# Altium PCB JTAG-批量下载V06.PcbDoc (part 7 of 13)
Units mil, origin at the board's own origin, x right, y up, seen from the top; angles counter-clockwise.
Board outline 6380 x 5290 mil, 2 copper layers (Top Layer, Bottom Layer); 190 components, 238 nets, 1050 pads, 459 vias.
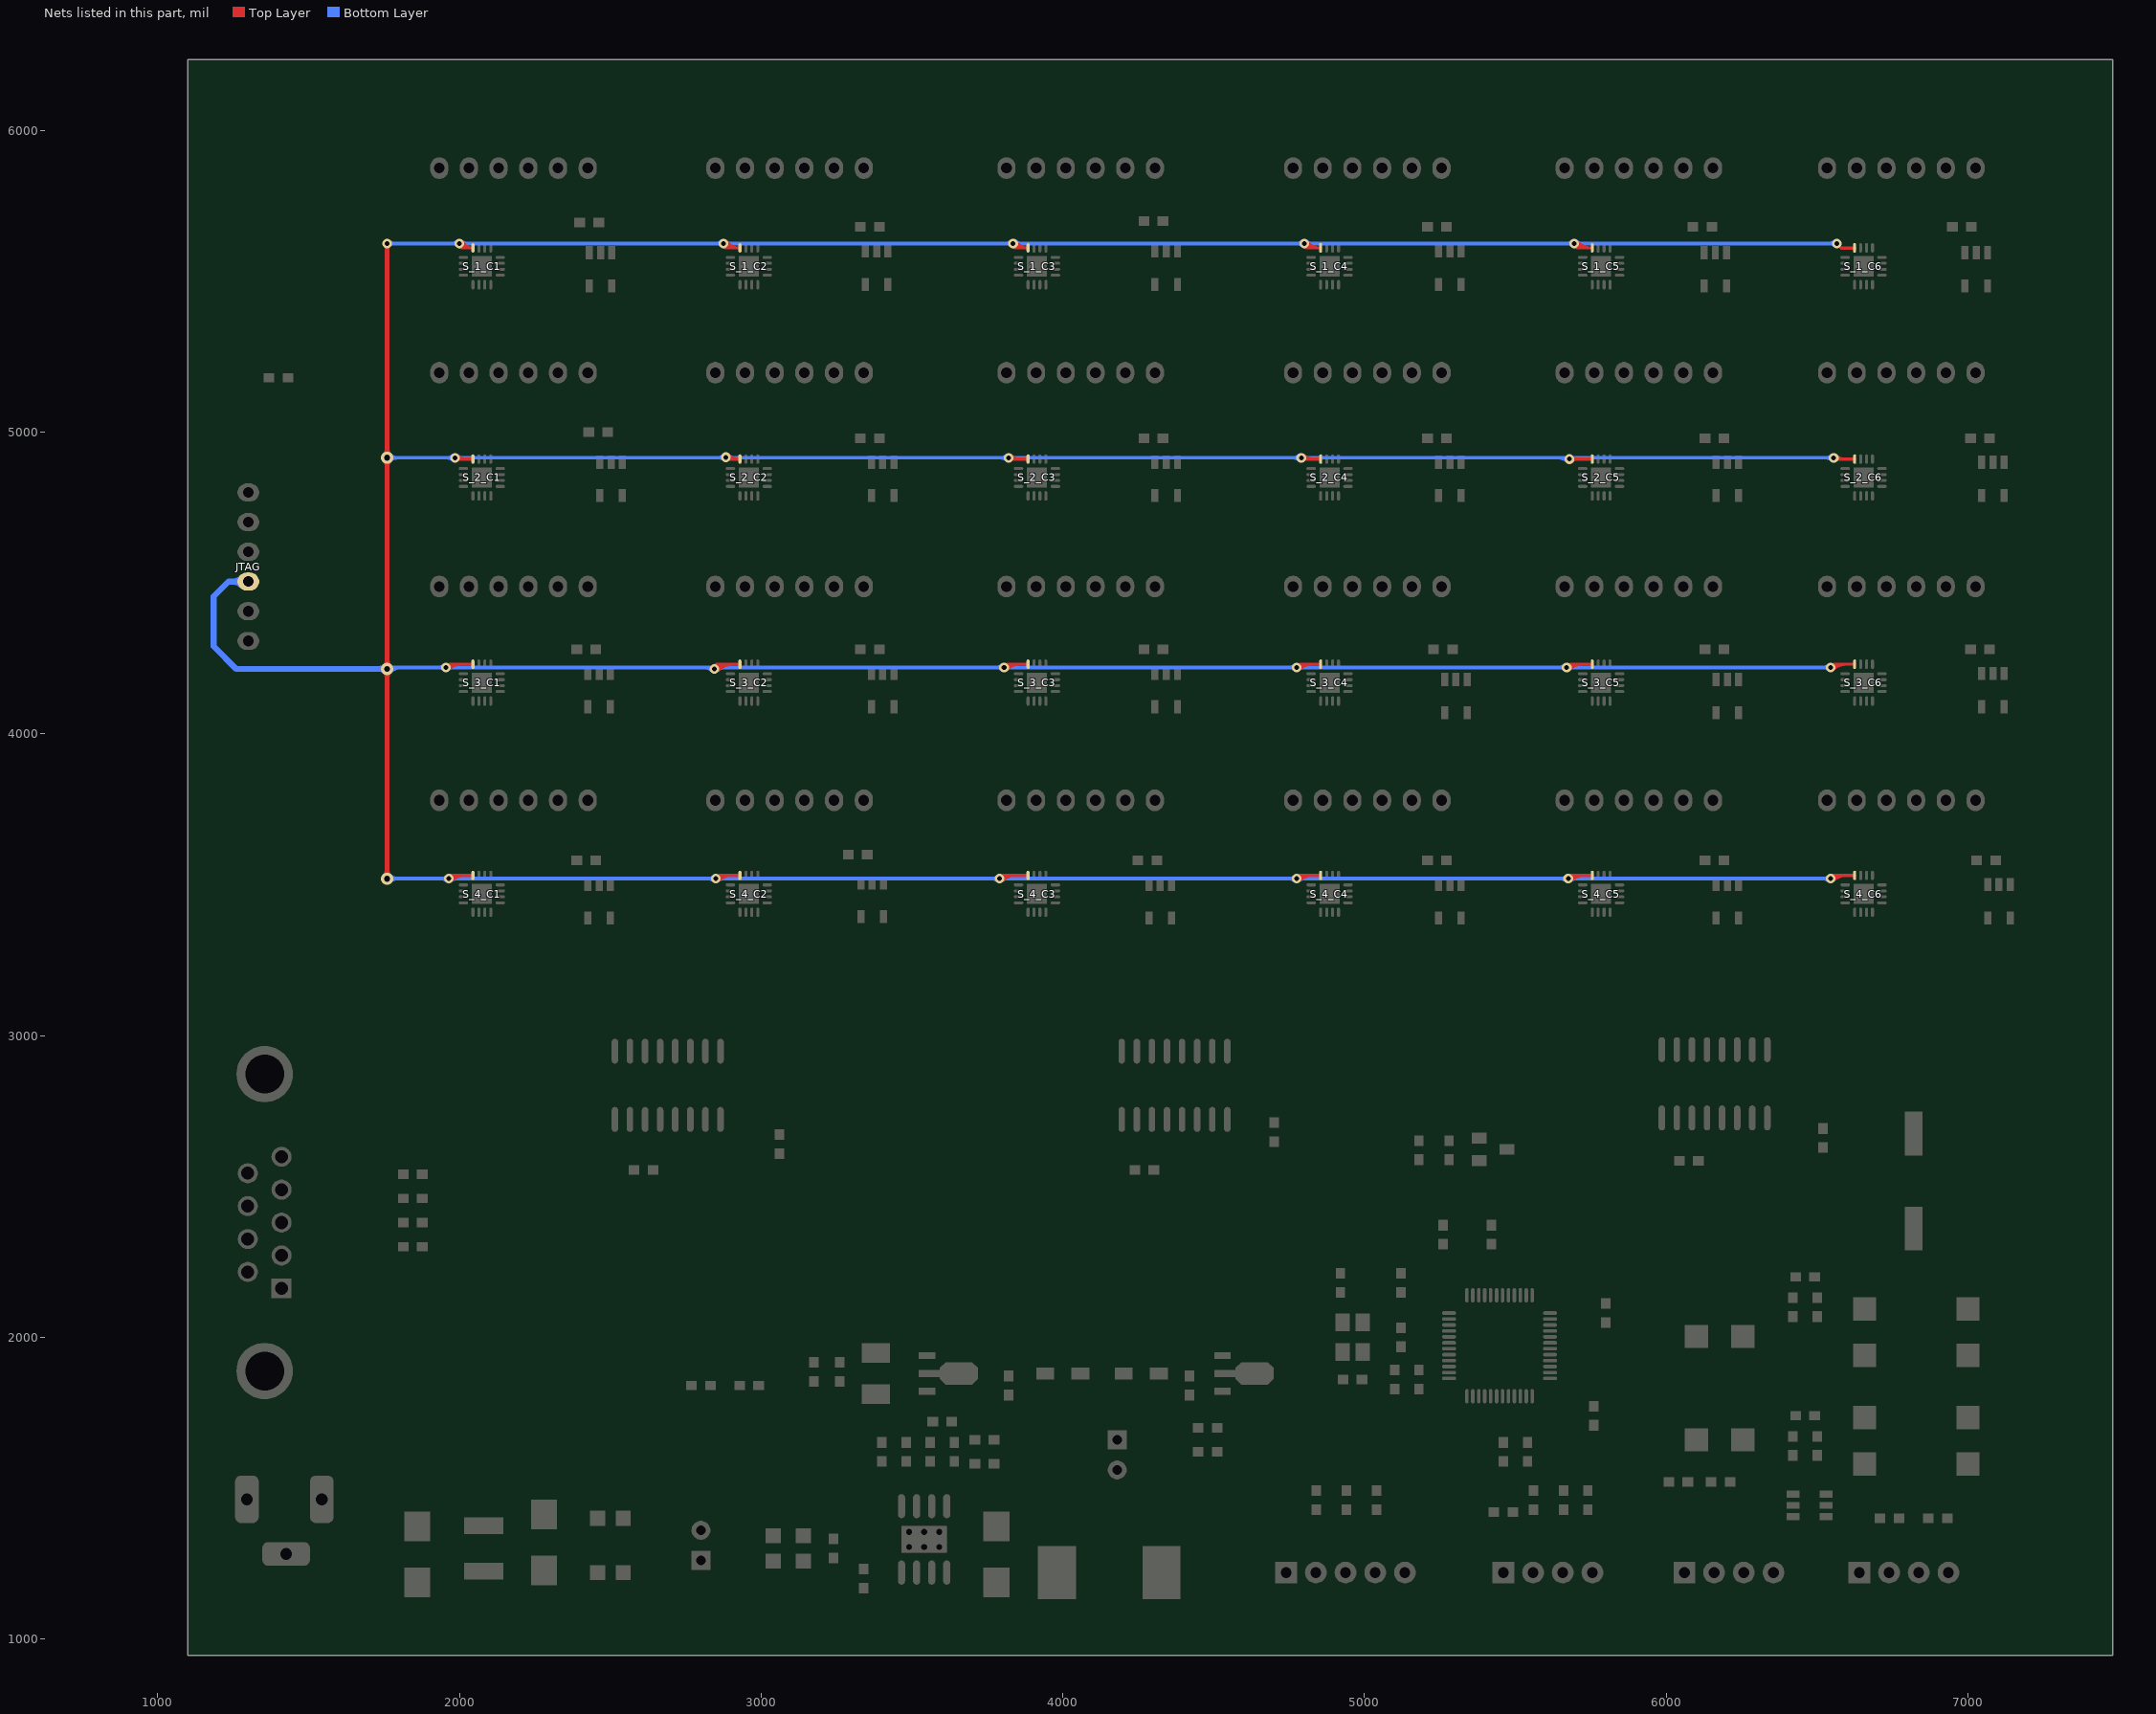
[diagram p7: the nets of this part, all layers, seen from the top]

## Via types
v1: diameter 32, hole 16, Top Layer to Bottom Layer, 347 vias
v2: diameter 50, hole 28, Top Layer to Bottom Layer, 63 vias
v3: diameter 40, hole 20, Top Layer to Bottom Layer, 49 vias

## Nets (pads, with @x,y where several pads share a name; then routed paths per layer and width w, separated by ;. In a path a pad name is that pad's centre, name@x,y a point inside that pad or via, vN(x,y) a via of type N, cw(c..) or ccw(c..) an arc to the next point about the centre after c; other vN are vias at no path point) (continued)
JTAG_TCK: JTAG.4 S_1_C1.8 S_1_C2.8 S_1_C3.8 S_1_C4.8 S_1_C5.8 S_1_C6.8 S_2_C1.8 S_2_C2.8 S_2_C3.8 S_2_C4.8 S_2_C5.8 S_2_C6.8 S_3_C1.8 S_3_C2.8 S_3_C3.8 S_3_C4.8 S_3_C5.8 S_3_C6.8 S_4_C1.8 S_4_C2.8 S_4_C3.8 S_4_C4.8 S_4_C5.8 S_4_C6.8 | length 34419.3
  Top Layer w10: v1@1955,3520 1965.55,3530.55 S_4_C1.8@2044.45,3530.55 ; v1(1955,4220) 1965.55,4230.55 S_3_C1.8@2044.45,4230.55 ; v1(1985,4915) 1989.45,4910.55 S_2_C1.8@2044.45,4910.55 ; v1@1992.24,5620.44 ccw(c2009.52,5630.59) 2009.52,5610.55 ; v1(2000,5625) 2014.45,5610.55 S_1_C1.8@2044.45,5610.55 cw(c2044.45,5651.09) v1@2009.49,5630.57 ; v1@2000.86,5625.51 ccw(c2026.98,5640.84) 2026.98,5610.55 ; v1@2845,4225 2850.55,4230.55 S_3_C2.8@2929.45,4230.55 ; v1(2850,3520) 2860.55,3530.55 S_4_C2.8@2929.45,3530.55 ; v1@2868.1,5619.23 ccw(c2886.66,5634.75) 2886.66,5610.55 ; v1(2875,5625) 2889.45,5610.55 S_1_C2.8@2929.45,5610.55 cw(c2929.45,5670.52) v1@2883.44,5632.06 ; v1@2875.77,5625.64 ccw(c2908.05,5652.63) 2908.05,5610.55 ; v1(3790,3520) 3800.55,3530.55 S_4_C3.8@3884.45,3530.55 ; v1(3805,4220) 3815.55,4230.55 S_3_C3.8@3884.45,4230.55 ; v1(3820,4915) 3824.45,4910.55 S_2_C3.8@3884.45,4910.55 ; v1@3827.68,5619.77 ccw(c3845.59,5632.56) 3845.59,5610.55 ; v1(3835,5625) 3849.45,5610.55 S_1_C3.8@3884.45,5610.55 cw(c3884.45,5660.31) v1@3843.95,5631.39 ; v1@3835.81,5625.58 ccw(c3865.02,5646.44) 3865.02,5610.55 ; v1(4775,3520) 4785.55,3530.55 S_4_C4.8@4854.45,3530.55 ; v1(4775,4220) 4785.55,4230.55 S_3_C4.8@4854.45,4230.55 ; v1@4793.1,5619.23 ccw(c4811.66,5634.75) 4811.66,5610.55 ; v1(4800,5625) 4814.45,5610.55 S_1_C4.8@4854.45,5610.55 cw(c4854.45,5670.52) v1@4808.44,5632.06 ; v1@4800.77,5625.64 ccw(c4833.05,5652.63) 4833.05,5610.55 ; v1(5670,4220) 5680.55,4230.55 S_3_C5.8@5754.45,4230.55 ; v1(5675,3520) 5685.55,3530.55 S_4_C5.8@5754.45,3530.55 ; v1(5679.45,4910.55) S_2_C5.8@5754.45,4910.55 ; v1@5688.49,5618.79 ccw(c5707.73,5637.14) 5707.73,5610.55 ; v1(5695,5625) 5709.45,5610.55 S_1_C5.8@5754.45,5610.55 cw(c5754.45,5681.7) v1@5702.96,5632.59 ; v1@5695.72,5625.69 ccw(c5731.09,5659.42) 5731.09,5610.55 ; v1@6535,3520 6545.55,3530.55 S_4_C6.8@6624.45,3530.55 ; v1(6545,4220) 6555.55,4230.55 S_3_C6.8@6624.45,4230.55 ; v1@6555,4910.55 S_2_C6.8@6624.45,4910.55 ; v1(6565,5625) 6580,5610 S_1_C6.8@6625,5610 ; v1@1955.71,4219.29 cw(c1982.89,4192.11) 1982.89,4230.55 ; v1@1955.71,4219.29 cw(c1982.89,4192.11) 1982.89,4230.55 ; v1@1955.71,4219.29 cw(c1982.89,4192.11) 1982.89,4230.55 ; v1@1962.78,4212.22 cw(c2007.03,4167.97) 2007.03,4230.55 ; v1@1962.78,4212.22 cw(c2007.03,4167.97) 2007.03,4230.55 ; v1@1962.78,4212.22 cw(c2007.03,4167.97) 2007.03,4230.55 ; v1@1965.71,3519.29 cw(c1992.89,3492.11) 1992.89,3530.55 ; v1@1965.71,3519.29 cw(c1992.89,3492.11) 1992.89,3530.55 ; v1@1965.71,3519.29 cw(c1992.89,3492.11) 1992.89,3530.55 ; v1@1972.78,3512.22 cw(c2017.03,3467.97) 2017.03,3530.55 ; v1@1972.78,3512.22 cw(c2017.03,3467.97) 2017.03,3530.55 ; v1@1972.78,3512.22 cw(c2017.03,3467.97) 2017.03,3530.55 ; v1@1992.78,4907.22 cw(c2000.82,4899.18) 2000.82,4910.55 ; v1@1992.78,4907.22 cw(c2000.82,4899.18) 2000.82,4910.55 ; v1@1992.78,4907.22 cw(c2000.82,4899.18) 2000.82,4910.55 ; v1@1992.78,4922.78 ccw(c2022.3,4952.3) 2022.3,4910.55 ; v1@1992.78,4922.78 ccw(c2022.3,4952.3) 2022.3,4910.55 ; v1@1992.78,4922.78 ccw(c2022.3,4952.3) 2022.3,4910.55 ; v1@2838.64,4221.36 cw(c2860.82,4199.18) 2860.82,4230.55 ; v1@2838.64,4221.36 cw(c2860.82,4199.18) 2860.82,4230.55 ; v1@2838.64,4221.36 cw(c2860.82,4199.18) 2860.82,4230.55 ; v1@2845.71,4214.29 cw(c2884.96,4175.04) 2884.96,4230.55 ; v1@2845.71,4214.29 cw(c2884.96,4175.04) 2884.96,4230.55 ; v1@2845.71,4214.29 cw(c2884.96,4175.04) 2884.96,4230.55 ; v1@2850.71,3519.29 cw(c2877.89,3492.11) 2877.89,3530.55 ; v1@2850.71,3519.29 cw(c2877.89,3492.11) 2877.89,3530.55 ; v1@2850.71,3519.29 cw(c2877.89,3492.11) 2877.89,3530.55 ; v1@2852.78,4207.22 cw(c2909.1,4150.9) 2909.1,4230.55 ; v1@2852.78,4207.22 cw(c2909.1,4150.9) 2909.1,4230.55 ; v1@2852.78,4207.22 cw(c2909.1,4150.9) 2909.1,4230.55 ; v1@2857.78,3512.22 cw(c2902.03,3467.97) 2902.03,3530.55 ; v1@2857.78,3512.22 cw(c2902.03,3467.97) 2902.03,3530.55 ; v1@2857.78,3512.22 cw(c2902.03,3467.97) 2902.03,3530.55 ; v1@3790.71,3519.29 cw(c3817.89,3492.11) 3817.89,3530.55 ; v1@3790.71,3519.29 cw(c3817.89,3492.11) 3817.89,3530.55 ; v1@3790.71,3519.29 cw(c3817.89,3492.11) 3817.89,3530.55 ; v1@3797.78,3512.22 cw(c3842.03,3467.97) 3842.03,3530.55 ; v1@3797.78,3512.22 cw(c3842.03,3467.97) 3842.03,3530.55 ; v1@3797.78,3512.22 cw(c3842.03,3467.97) 3842.03,3530.55 ; v1@3805.71,4219.29 cw(c3832.89,4192.11) 3832.89,4230.55 ; v1@3805.71,4219.29 cw(c3832.89,4192.11) 3832.89,4230.55 ; v1@3805.71,4219.29 cw(c3832.89,4192.11) 3832.89,4230.55 ; v1@3812.78,4212.22 cw(c3857.03,4167.97) 3857.03,4230.55 ; v1@3812.78,4212.22 cw(c3857.03,4167.97) 3857.03,4230.55 ; v1@3812.78,4212.22 cw(c3857.03,4167.97) 3857.03,4230.55 ; v1@3827.78,4907.22 cw(c3835.82,4899.18) 3835.82,4910.55 ; v1@3827.78,4907.22 cw(c3835.82,4899.18) 3835.82,4910.55 ; v1@3827.78,4907.22 cw(c3835.82,4899.18) 3835.82,4910.55 ; v1@3827.78,4922.78 ccw(c3857.3,4952.3) 3857.3,4910.55 ; v1@3827.78,4922.78 ccw(c3857.3,4952.3) 3857.3,4910.55 ; v1@3827.78,4922.78 ccw(c3857.3,4952.3) 3857.3,4910.55 ; v1@4775.71,3519.29 cw(c4802.89,3492.11) 4802.89,3530.55 ; v1@4775.71,3519.29 cw(c4802.89,3492.11) 4802.89,3530.55 ; v1@4775.71,3519.29 cw(c4802.89,3492.11) 4802.89,3530.55 ; v1@4775.71,4219.29 cw(c4802.89,4192.11) 4802.89,4230.55 ; v1@4775.71,4219.29 cw(c4802.89,4192.11) 4802.89,4230.55 ; v1@4775.71,4219.29 cw(c4802.89,4192.11) 4802.89,4230.55 ; v1@4782.78,3512.22 cw(c4827.03,3467.97) 4827.03,3530.55 ; v1@4782.78,3512.22 cw(c4827.03,3467.97) 4827.03,3530.55 ; v1@4782.78,3512.22 cw(c4827.03,3467.97) 4827.03,3530.55 ; v1@4782.78,4212.22 cw(c4827.03,4167.97) 4827.03,4230.55 ; v1@4782.78,4212.22 cw(c4827.03,4167.97) 4827.03,4230.55 ; v1@4782.78,4212.22 cw(c4827.03,4167.97) 4827.03,4230.55 ; v1@5670.71,4219.29 cw(c5697.89,4192.11) 5697.89,4230.55 ; v1@5670.71,4219.29 cw(c5697.89,4192.11) 5697.89,4230.55 ; v1@5670.71,4219.29 cw(c5697.89,4192.11) 5697.89,4230.55 ; v1@5675.71,3519.29 cw(c5702.89,3492.11) 5702.89,3530.55 ; v1@5675.71,3519.29 cw(c5702.89,3492.11) 5702.89,3530.55 ; v1@5675.71,3519.29 cw(c5702.89,3492.11) 5702.89,3530.55 ; v1@5677.78,4212.22 cw(c5722.03,4167.97) 5722.03,4230.55 ; v1@5677.78,4212.22 cw(c5722.03,4167.97) 5722.03,4230.55 ; v1@5677.78,4212.22 cw(c5722.03,4167.97) 5722.03,4230.55 ; v1@5682.78,3512.22 cw(c5727.03,3467.97) 5727.03,3530.55 ; v1@5682.78,3512.22 cw(c5727.03,3467.97) 5727.03,3530.55 ; v1@5682.78,3512.22 cw(c5727.03,3467.97) 5727.03,3530.55 ; v1@5687.23,4902.77 cw(c5706.01,4883.99) 5706.01,4910.55 ; v1@5687.23,4902.77 cw(c5706.01,4883.99) 5706.01,4910.55 ; v1@5687.23,4902.77 cw(c5706.01,4883.99) 5706.01,4910.55 ; v1@5687.23,4918.33 ccw(c5706.01,4937.11) 5706.01,4910.55 ; v1@5687.23,4918.33 ccw(c5706.01,4937.11) 5706.01,4910.55 ; v1@5687.23,4918.33 ccw(c5706.01,4937.11) 5706.01,4910.55 ; v1@6545.71,3519.29 cw(c6572.89,3492.11) 6572.89,3530.55 ; v1@6545.71,3519.29 cw(c6572.89,3492.11) 6572.89,3530.55 ; v1@6545.71,3519.29 cw(c6572.89,3492.11) 6572.89,3530.55 ; v1@6545.71,4219.29 cw(c6572.89,4192.11) 6572.89,4230.55 ; v1@6545.71,4219.29 cw(c6572.89,4192.11) 6572.89,4230.55 ; v1@6545.71,4219.29 cw(c6572.89,4192.11) 6572.89,4230.55 ; v1@6552.78,3512.22 cw(c6597.03,3467.97) 6597.03,3530.55 ; v1@6552.78,3512.22 cw(c6597.03,3467.97) 6597.03,3530.55 ; v1@6552.78,3512.22 cw(c6597.03,3467.97) 6597.03,3530.55 ; v1@6552.78,4212.22 cw(c6597.03,4167.97) 6597.03,4230.55 ; v1@6552.78,4212.22 cw(c6597.03,4167.97) 6597.03,4230.55 ; v1@6552.78,4212.22 cw(c6597.03,4167.97) 6597.03,4230.55 ; v1@6562.78,4907.22 cw(c6570.82,4899.18) 6570.82,4910.55 ; v1@6562.78,4907.22 cw(c6570.82,4899.18) 6570.82,4910.55 ; v1@6562.78,4907.22 cw(c6570.82,4899.18) 6570.82,4910.55 ; v1@6562.78,4922.78 ccw(c6592.3,4952.3) 6592.3,4910.55 ; v1@6562.78,4922.78 ccw(c6592.3,4952.3) 6592.3,4910.55 ; v1@6562.78,4922.78 ccw(c6592.3,4952.3) 6592.3,4910.55
  Top Layer w12: v1@2880,4920 2889.45,4910.55 S_2_C2.8@2929.45,4910.55 ; v1(4790,4915) 4794.45,4910.55 S_2_C4.8@4854.45,4910.55 ; v1@2890.43,4923.71 ccw(c2922.2,4955.47) 2922.2,4910.55 ; v1@2890.43,4923.71 ccw(c2922.2,4955.47) 2922.2,4910.55 ; v1@2890.43,4923.71 ccw(c2922.2,4955.47) 2922.2,4910.55 ; v1@4797.07,4922.07 ccw(c4824.88,4949.88) 4824.88,4910.55 ; v1@4797.07,4922.07 ccw(c4824.88,4949.88) 4824.88,4910.55 ; v1@4797.07,4922.07 ccw(c4824.88,4949.88) 4824.88,4910.55
  Top Layer w15: v3@1760,3515 v1(1760,5625) ; v3@1751.16,3528.84 ccw(c1729.82,3550.18) 1760,3550.18 ; v3@1751.16,3528.84 ccw(c1729.82,3550.18) 1760,3550.18 ; v3@1751.16,3528.84 ccw(c1729.82,3550.18) 1760,3550.18 ; v3@1751.16,4206.16 cw(c1729.82,4184.82) 1760,4184.82 ; v3@1751.16,4206.16 cw(c1729.82,4184.82) 1760,4184.82 ; v3@1751.16,4206.16 cw(c1729.82,4184.82) 1760,4184.82 ; v3@1751.16,4223.84 ccw(c1729.82,4245.18) 1760,4245.18 ; v3@1751.16,4223.84 ccw(c1729.82,4245.18) 1760,4245.18 ; v3@1751.16,4223.84 ccw(c1729.82,4245.18) 1760,4245.18 ; v3@1751.16,4906.16 cw(c1729.82,4884.82) 1760,4884.82 ; v3@1751.16,4906.16 cw(c1729.82,4884.82) 1760,4884.82 ; v3@1751.16,4906.16 cw(c1729.82,4884.82) 1760,4884.82 ; v3@1751.16,4923.84 ccw(c1729.82,4945.18) 1760,4945.18 ; v3@1751.16,4923.84 ccw(c1729.82,4945.18) 1760,4945.18 ; v3@1751.16,4923.84 ccw(c1729.82,4945.18) 1760,4945.18 ; v1@1753.99,5618.99 cw(c1739.48,5604.48) 1760,5604.48 ; v1@1753.99,5618.99 cw(c1739.48,5604.48) 1760,5604.48 ; v1@1753.99,5618.99 cw(c1739.48,5604.48) 1760,5604.48 ; 1760,3550.18 ccw(c1790.18,3550.18) v3@1768.84,3528.84 ; 1760,3550.18 ccw(c1790.18,3550.18) v3@1768.84,3528.84 ; 1760,3550.18 ccw(c1790.18,3550.18) v3@1768.84,3528.84 ; 1760,4184.82 cw(c1790.18,4184.82) v3@1768.84,4206.16 ; 1760,4184.82 cw(c1790.18,4184.82) v3@1768.84,4206.16 ; 1760,4184.82 cw(c1790.18,4184.82) v3@1768.84,4206.16 ; 1760,4245.18 ccw(c1790.18,4245.18) v3@1768.84,4223.84 ; 1760,4245.18 ccw(c1790.18,4245.18) v3@1768.84,4223.84 ; 1760,4245.18 ccw(c1790.18,4245.18) v3@1768.84,4223.84 ; 1760,4884.82 cw(c1790.18,4884.82) v3@1768.84,4906.16 ; 1760,4884.82 cw(c1790.18,4884.82) v3@1768.84,4906.16 ; 1760,4884.82 cw(c1790.18,4884.82) v3@1768.84,4906.16 ; 1760,4945.18 ccw(c1790.18,4945.18) v3@1768.84,4923.84 ; 1760,4945.18 ccw(c1790.18,4945.18) v3@1768.84,4923.84 ; 1760,4945.18 ccw(c1790.18,4945.18) v3@1768.84,4923.84 ; 1760,5604.48 cw(c1780.52,5604.48) v1@1766.01,5618.99 ; 1760,5604.48 cw(c1780.52,5604.48) v1@1766.01,5618.99 ; 1760,5604.48 cw(c1780.52,5604.48) v1@1766.01,5618.99
  Bottom Layer w12: v1@1755,5625 v1(6565,5625) ; v3(1760,3520) v1@6540,3520 ; v3@1760,4220 v1(6545,4220) ; v3(1760,4915) v1(6555,4915) ; v3@1769.9,3510.1 cw(c1793.8,3486.2) 1793.8,3520 cw(c1793.8,3553.8) v3@1769.9,3529.9 ; v3@1769.9,4905.1 cw(c1793.8,4881.2) 1793.8,4915 cw(c1793.8,4948.8) v3@1769.9,4924.9 ; 2855.27,4915 ccw(c2855.27,4944.73) v1@2876.29,4923.71 ; 2863.17,4915 cw(c2863.17,4896.45) v1@2876.29,4909.57 ; v1@2890.43,4909.57 cw(c2903.55,4896.45) 2903.55,4915 ; v1@2890.43,4923.71 ccw(c2911.46,4944.73) 2911.46,4915 ; v1@1767.07,5617.93 cw(c1784.14,5600.86) 1784.14,5625 ; v1@1767.07,5617.93 cw(c1784.14,5600.86) 1784.14,5625 ; v1@1767.07,5617.93 cw(c1784.14,5600.86) 1784.14,5625 ; v1@1767.07,5632.07 ccw(c1784.14,5649.14) 1784.14,5625 ; v1@1767.07,5632.07 ccw(c1784.14,5649.14) 1784.14,5625 ; v1@1767.07,5632.07 ccw(c1784.14,5649.14) 1784.14,5625 ; 1930.86,4220 ccw(c1930.86,4244.14) v1@1947.93,4227.07 ; 1930.86,4220 cw(c1930.86,4195.86) v1@1947.93,4212.93 ; 1930.86,4220 ccw(c1930.86,4244.14) v1@1947.93,4227.07 ; 1930.86,4220 cw(c1930.86,4195.86) v1@1947.93,4212.93 ; 1930.86,4220 ccw(c1930.86,4244.14) v1@1947.93,4227.07 ; 1930.86,4220 cw(c1930.86,4195.86) v1@1947.93,4212.93 ; 1940.86,3520 ccw(c1940.86,3544.14) v1@1957.93,3527.07 ; 1940.86,3520 cw(c1940.86,3495.86) v1@1957.93,3512.93 ; 1940.86,3520 ccw(c1940.86,3544.14) v1@1957.93,3527.07 ; 1940.86,3520 cw(c1940.86,3495.86) v1@1957.93,3512.93 ; 1940.86,3520 ccw(c1940.86,3544.14) v1@1957.93,3527.07 ; 1940.86,3520 cw(c1940.86,3495.86) v1@1957.93,3512.93 ; 1960.86,4915 ccw(c1960.86,4939.14) v1@1977.93,4922.07 ; 1960.86,4915 cw(c1960.86,4890.86) v1@1977.93,4907.93 ; 1960.86,4915 ccw(c1960.86,4939.14) v1@1977.93,4922.07 ; 1960.86,4915 cw(c1960.86,4890.86) v1@1977.93,4907.93 ; 1960.86,4915 ccw(c1960.86,4939.14) v1@1977.93,4922.07 ; 1960.86,4915 cw(c1960.86,4890.86) v1@1977.93,4907.93 ; v1@1962.07,4212.93 cw(c1979.14,4195.86) 1979.14,4220 ; v1@1962.07,4212.93 cw(c1979.14,4195.86) 1979.14,4220 ; v1@1962.07,4212.93 cw(c1979.14,4195.86) 1979.14,4220 ; v1@1962.07,4227.07 ccw(c1979.14,4244.14) 1979.14,4220 ; v1@1962.07,4227.07 ccw(c1979.14,4244.14) 1979.14,4220 ; v1@1962.07,4227.07 ccw(c1979.14,4244.14) 1979.14,4220 ; v1@1972.07,3512.93 cw(c1989.14,3495.86) 1989.14,3520 ; v1@1972.07,3512.93 cw(c1989.14,3495.86) 1989.14,3520 ; v1@1972.07,3512.93 cw(c1989.14,3495.86) 1989.14,3520 ; v1@1972.07,3527.07 ccw(c1989.14,3544.14) 1989.14,3520 ; v1@1972.07,3527.07 ccw(c1989.14,3544.14) 1989.14,3520 ; v1@1972.07,3527.07 ccw(c1989.14,3544.14) 1989.14,3520 ; 1975.86,5625 ccw(c1975.86,5649.14) v1@1992.93,5632.07 ; 1975.86,5625 cw(c1975.86,5600.86) v1@1992.93,5617.93 ; 1975.86,5625 ccw(c1975.86,5649.14) v1@1992.93,5632.07 ; 1975.86,5625 cw(c1975.86,5600.86) v1@1992.93,5617.93 ; 1975.86,5625 ccw(c1975.86,5649.14) v1@1992.93,5632.07 ; 1975.86,5625 cw(c1975.86,5600.86) v1@1992.93,5617.93 ; v1@1992.07,4907.93 cw(c2009.14,4890.86) 2009.14,4915 ; v1@1992.07,4907.93 cw(c2009.14,4890.86) 2009.14,4915 ; v1@1992.07,4907.93 cw(c2009.14,4890.86) 2009.14,4915 ; v1@1992.07,4922.07 ccw(c2009.14,4939.14) 2009.14,4915 ; v1@1992.07,4922.07 ccw(c2009.14,4939.14) 2009.14,4915 ; v1@1992.07,4922.07 ccw(c2009.14,4939.14) 2009.14,4915 ; v1@2007.07,5617.93 cw(c2024.14,5600.86) 2024.14,5625 ; v1@2007.07,5617.93 cw(c2024.14,5600.86) 2024.14,5625 ; v1@2007.07,5617.93 cw(c2024.14,5600.86) 2024.14,5625 ; v1@2007.07,5632.07 ccw(c2024.14,5649.14) 2024.14,5625 ; v1@2007.07,5632.07 ccw(c2024.14,5649.14) 2024.14,5625 ; v1@2007.07,5632.07 ccw(c2024.14,5649.14) 2024.14,5625 ; 2808.79,4220 cw(c2808.79,4178.79) v1@2837.93,4207.93 ; 2808.79,4220 cw(c2808.79,4178.79) v1@2837.93,4207.93 ; 2808.79,4220 cw(c2808.79,4178.79) v1@2837.93,4207.93 ; 2825.86,3520 ccw(c2825.86,3544.14) v1@2842.93,3527.07 ; 2825.86,3520 cw(c2825.86,3495.86) v1@2842.93,3512.93 ; 2825.86,3520 ccw(c2825.86,3544.14) v1@2842.93,3527.07 ; 2825.86,3520 cw(c2825.86,3495.86) v1@2842.93,3512.93 ; 2825.86,3520 ccw(c2825.86,3544.14) v1@2842.93,3527.07 ; 2825.86,3520 cw(c2825.86,3495.86) v1@2842.93,3512.93 ; 2850.86,5625 ccw(c2850.86,5649.14) v1@2867.93,5632.07 ; 2850.86,5625 cw(c2850.86,5600.86) v1@2867.93,5617.93 ; 2850.86,5625 ccw(c2850.86,5649.14) v1@2867.93,5632.07 ; 2850.86,5625 cw(c2850.86,5600.86) v1@2867.93,5617.93 ; 2850.86,5625 ccw(c2850.86,5649.14) v1@2867.93,5632.07 ; 2850.86,5625 cw(c2850.86,5600.86) v1@2867.93,5617.93 ; v1@2852.07,4207.93 cw(c2881.21,4178.79) 2881.21,4220 ; v1@2852.07,4207.93 cw(c2881.21,4178.79) 2881.21,4220 ; v1@2852.07,4207.93 cw(c2881.21,4178.79) 2881.21,4220 ; v1@2857.07,3512.93 cw(c2874.14,3495.86) 2874.14,3520 ; v1@2857.07,3512.93 cw(c2874.14,3495.86) 2874.14,3520 ; v1@2857.07,3512.93 cw(c2874.14,3495.86) 2874.14,3520 ; v1@2857.07,3527.07 ccw(c2874.14,3544.14) 2874.14,3520 ; v1@2857.07,3527.07 ccw(c2874.14,3544.14) 2874.14,3520 ; v1@2857.07,3527.07 ccw(c2874.14,3544.14) 2874.14,3520 ; v1@2882.07,5617.93 cw(c2899.14,5600.86) 2899.14,5625 ; v1@2882.07,5617.93 cw(c2899.14,5600.86) 2899.14,5625 ; v1@2882.07,5617.93 cw(c2899.14,5600.86) 2899.14,5625 ; v1@2882.07,5632.07 ccw(c2899.14,5649.14) 2899.14,5625 ; v1@2882.07,5632.07 ccw(c2899.14,5649.14) 2899.14,5625 ; v1@2882.07,5632.07 ccw(c2899.14,5649.14) 2899.14,5625 ; 3765.86,3520 ccw(c3765.86,3544.14) v1@3782.93,3527.07 ; 3765.86,3520 cw(c3765.86,3495.86) v1@3782.93,3512.93 ; 3765.86,3520 ccw(c3765.86,3544.14) v1@3782.93,3527.07 ; 3765.86,3520 cw(c3765.86,3495.86) v1@3782.93,3512.93 ; 3765.86,3520 ccw(c3765.86,3544.14) v1@3782.93,3527.07 ; 3765.86,3520 cw(c3765.86,3495.86) v1@3782.93,3512.93 ; 3780.86,4220 ccw(c3780.86,4244.14) v1@3797.93,4227.07 ; 3780.86,4220 cw(c3780.86,4195.86) v1@3797.93,4212.93 ; 3780.86,4220 ccw(c3780.86,4244.14) v1@3797.93,4227.07 ; 3780.86,4220 cw(c3780.86,4195.86) v1@3797.93,4212.93 ; 3780.86,4220 ccw(c3780.86,4244.14) v1@3797.93,4227.07 ; 3780.86,4220 cw(c3780.86,4195.86) v1@3797.93,4212.93 ; 3795.86,4915 ccw(c3795.86,4939.14) v1@3812.93,4922.07 ; 3795.86,4915 cw(c3795.86,4890.86) v1@3812.93,4907.93 ; 3795.86,4915 ccw(c3795.86,4939.14) v1@3812.93,4922.07 ; 3795.86,4915 cw(c3795.86,4890.86) v1@3812.93,4907.93 ; 3795.86,4915 ccw(c3795.86,4939.14) v1@3812.93,4922.07 ; 3795.86,4915 cw(c3795.86,4890.86) v1@3812.93,4907.93 ; v1@3797.07,3512.93 cw(c3814.14,3495.86) 3814.14,3520 ; v1@3797.07,3512.93 cw(c3814.14,3495.86) 3814.14,3520 ; v1@3797.07,3512.93 cw(c3814.14,3495.86) 3814.14,3520 ; v1@3797.07,3527.07 ccw(c3814.14,3544.14) 3814.14,3520 ; v1@3797.07,3527.07 ccw(c3814.14,3544.14) 3814.14,3520 ; v1@3797.07,3527.07 ccw(c3814.14,3544.14) 3814.14,3520 ; 3810.86,5625 ccw(c3810.86,5649.14) v1@3827.93,5632.07 ; 3810.86,5625 cw(c3810.86,5600.86) v1@3827.93,5617.93 ; 3810.86,5625 ccw(c3810.86,5649.14) v1@3827.93,5632.07 ; 3810.86,5625 cw(c3810.86,5600.86) v1@3827.93,5617.93 ; 3810.86,5625 ccw(c3810.86,5649.14) v1@3827.93,5632.07 ; 3810.86,5625 cw(c3810.86,5600.86) v1@3827.93,5617.93 ; v1@3812.07,4212.93 cw(c3829.14,4195.86) 3829.14,4220 ; v1@3812.07,4212.93 cw(c3829.14,4195.86) 3829.14,4220 ; v1@3812.07,4212.93 cw(c3829.14,4195.86) 3829.14,4220 ; v1@3812.07,4227.07 ccw(c3829.14,4244.14) 3829.14,4220 ; v1@3812.07,4227.07 ccw(c3829.14,4244.14) 3829.14,4220 ; v1@3812.07,4227.07 ccw(c3829.14,4244.14) 3829.14,4220 ; v1@3827.07,4907.93 cw(c3844.14,4890.86) 3844.14,4915 ; v1@3827.07,4907.93 cw(c3844.14,4890.86) 3844.14,4915 ; v1@3827.07,4907.93 cw(c3844.14,4890.86) 3844.14,4915 ; v1@3827.07,4922.07 ccw(c3844.14,4939.14) 3844.14,4915 ; v1@3827.07,4922.07 ccw(c3844.14,4939.14) 3844.14,4915 ; v1@3827.07,4922.07 ccw(c3844.14,4939.14) 3844.14,4915 ; v1@3842.07,5617.93 cw(c3859.14,5600.86) 3859.14,5625 ; v1@3842.07,5617.93 cw(c3859.14,5600.86) 3859.14,5625 ; v1@3842.07,5617.93 cw(c3859.14,5600.86) 3859.14,5625 ; v1@3842.07,5632.07 ccw(c3859.14,5649.14) 3859.14,5625 ; v1@3842.07,5632.07 ccw(c3859.14,5649.14) 3859.14,5625 ; v1@3842.07,5632.07 ccw(c3859.14,5649.14) 3859.14,5625 ; 4750.86,3520 ccw(c4750.86,3544.14) v1@4767.93,3527.07 ; 4750.86,3520 cw(c4750.86,3495.86) v1@4767.93,3512.93 ; 4750.86,3520 ccw(c4750.86,3544.14) v1@4767.93,3527.07 ; 4750.86,3520 cw(c4750.86,3495.86) v1@4767.93,3512.93 ; 4750.86,3520 ccw(c4750.86,3544.14) v1@4767.93,3527.07 ; 4750.86,3520 cw(c4750.86,3495.86) v1@4767.93,3512.93 ; 4750.86,4220 ccw(c4750.86,4244.14) v1@4767.93,4227.07 ; 4750.86,4220 cw(c4750.86,4195.86) v1@4767.93,4212.93 ; 4750.86,4220 ccw(c4750.86,4244.14) v1@4767.93,4227.07 ; 4750.86,4220 cw(c4750.86,4195.86) v1@4767.93,4212.93 ; 4750.86,4220 ccw(c4750.86,4244.14) v1@4767.93,4227.07 ; 4750.86,4220 cw(c4750.86,4195.86) v1@4767.93,4212.93 ; 4765.86,4915 ccw(c4765.86,4939.14) v1@4782.93,4922.07 ; 4765.86,4915 cw(c4765.86,4890.86) v1@4782.93,4907.93 ; 4765.86,4915 ccw(c4765.86,4939.14) v1@4782.93,4922.07 ; 4765.86,4915 cw(c4765.86,4890.86) v1@4782.93,4907.93 ; 4765.86,4915 ccw(c4765.86,4939.14) v1@4782.93,4922.07 ; 4765.86,4915 cw(c4765.86,4890.86) v1@4782.93,4907.93 ; 4775.86,5625 ccw(c4775.86,5649.14) v1@4792.93,5632.07 ; 4775.86,5625 cw(c4775.86,5600.86) v1@4792.93,5617.93 ; 4775.86,5625 ccw(c4775.86,5649.14) v1@4792.93,5632.07 ; 4775.86,5625 cw(c4775.86,5600.86) v1@4792.93,5617.93 ; 4775.86,5625 ccw(c4775.86,5649.14) v1@4792.93,5632.07 ; 4775.86,5625 cw(c4775.86,5600.86) v1@4792.93,5617.93 ; v1@4782.07,3512.93 cw(c4799.14,3495.86) 4799.14,3520 ; v1@4782.07,3512.93 cw(c4799.14,3495.86) 4799.14,3520 ; v1@4782.07,3512.93 cw(c4799.14,3495.86) 4799.14,3520 ; v1@4782.07,3527.07 ccw(c4799.14,3544.14) 4799.14,3520 ; v1@4782.07,3527.07 ccw(c4799.14,3544.14) 4799.14,3520 ; v1@4782.07,3527.07 ccw(c4799.14,3544.14) 4799.14,3520 ; v1@4782.07,4212.93 cw(c4799.14,4195.86) 4799.14,4220 ; v1@4782.07,4212.93 cw(c4799.14,4195.86) 4799.14,4220 ; v1@4782.07,4212.93 cw(c4799.14,4195.86) 4799.14,4220 ; v1@4782.07,4227.07 ccw(c4799.14,4244.14) 4799.14,4220 ; v1@4782.07,4227.07 ccw(c4799.14,4244.14) 4799.14,4220 ; v1@4782.07,4227.07 ccw(c4799.14,4244.14) 4799.14,4220 ; v1@4797.07,4907.93 cw(c4814.14,4890.86) 4814.14,4915 ; v1@4797.07,4907.93 cw(c4814.14,4890.86) 4814.14,4915 ; v1@4797.07,4907.93 cw(c4814.14,4890.86) 4814.14,4915 ; v1@4797.07,4922.07 ccw(c4814.14,4939.14) 4814.14,4915 ; v1@4797.07,4922.07 ccw(c4814.14,4939.14) 4814.14,4915 ; v1@4797.07,4922.07 ccw(c4814.14,4939.14) 4814.14,4915 ; v1@4807.07,5617.93 cw(c4824.14,5600.86) 4824.14,5625 ; v1@4807.07,5617.93 cw(c4824.14,5600.86) 4824.14,5625 ; v1@4807.07,5617.93 cw(c4824.14,5600.86) 4824.14,5625 ; v1@4807.07,5632.07 ccw(c4824.14,5649.14) 4824.14,5625 ; v1@4807.07,5632.07 ccw(c4824.14,5649.14) 4824.14,5625 ; v1@4807.07,5632.07 ccw(c4824.14,5649.14) 4824.14,5625 ; 5644.57,4915 cw(c5644.57,4875.67) v1@5672.38,4903.48 ; 5644.57,4915 cw(c5644.57,4875.67) v1@5672.38,4903.48 ; 5644.57,4915 cw(c5644.57,4875.67) v1@5672.38,4903.48 ; 5645.86,4220 ccw(c5645.86,4244.14) v1@5662.93,4227.07 ; 5645.86,4220 cw(c5645.86,4195.86) v1@5662.93,4212.93 ; 5645.86,4220 ccw(c5645.86,4244.14) v1@5662.93,4227.07 ; 5645.86,4220 cw(c5645.86,4195.86) v1@5662.93,4212.93 ; 5645.86,4220 ccw(c5645.86,4244.14) v1@5662.93,4227.07 ; 5645.86,4220 cw(c5645.86,4195.86) v1@5662.93,4212.93 ; 5650.86,3520 ccw(c5650.86,3544.14) v1@5667.93,3527.07 ; 5650.86,3520 cw(c5650.86,3495.86) v1@5667.93,3512.93 ; 5650.86,3520 ccw(c5650.86,3544.14) v1@5667.93,3527.07 ; 5650.86,3520 cw(c5650.86,3495.86) v1@5667.93,3512.93 ; 5650.86,3520 ccw(c5650.86,3544.14) v1@5667.93,3527.07 ; 5650.86,3520 cw(c5650.86,3495.86) v1@5667.93,3512.93 ; 5670.86,5625 ccw(c5670.86,5649.14) v1@5687.93,5632.07 ; 5670.86,5625 cw(c5670.86,5600.86) v1@5687.93,5617.93 ; 5670.86,5625 ccw(c5670.86,5649.14) v1@5687.93,5632.07 ; 5670.86,5625 cw(c5670.86,5600.86) v1@5687.93,5617.93 ; 5670.86,5625 ccw(c5670.86,5649.14) v1@5687.93,5632.07 ; 5670.86,5625 cw(c5670.86,5600.86) v1@5687.93,5617.93 ; v1@5677.07,4212.93 cw(c5694.14,4195.86) 5694.14,4220 ; v1@5677.07,4212.93 cw(c5694.14,4195.86) 5694.14,4220 ; v1@5677.07,4212.93 cw(c5694.14,4195.86) 5694.14,4220 ; v1@5677.07,4227.07 ccw(c5694.14,4244.14) 5694.14,4220 ; v1@5677.07,4227.07 ccw(c5694.14,4244.14) 5694.14,4220 ; v1@5677.07,4227.07 ccw(c5694.14,4244.14) 5694.14,4220 ; v1@5682.07,3512.93 cw(c5699.14,3495.86) 5699.14,3520 ; v1@5682.07,3512.93 cw(c5699.14,3495.86) 5699.14,3520 ; v1@5682.07,3512.93 cw(c5699.14,3495.86) 5699.14,3520 ; v1@5682.07,3527.07 ccw(c5699.14,3544.14) 5699.14,3520 ; v1@5682.07,3527.07 ccw(c5699.14,3544.14) 5699.14,3520 ; v1@5682.07,3527.07 ccw(c5699.14,3544.14) 5699.14,3520 ; v1@5686.52,4903.48 cw(c5714.33,4875.67) 5714.33,4915 ; v1@5686.52,4903.48 cw(c5714.33,4875.67) 5714.33,4915 ; v1@5686.52,4903.48 cw(c5714.33,4875.67) 5714.33,4915 ; v1@5702.07,5617.93 cw(c5719.14,5600.86) 5719.14,5625 ; v1@5702.07,5617.93 cw(c5719.14,5600.86) 5719.14,5625 ; v1@5702.07,5617.93 cw(c5719.14,5600.86) 5719.14,5625 ; v1@5702.07,5632.07 ccw(c5719.14,5649.14) 5719.14,5625 ; v1@5702.07,5632.07 ccw(c5719.14,5649.14) 5719.14,5625 ; v1@5702.07,5632.07 ccw(c5719.14,5649.14) 5719.14,5625 ; 6520.86,3520 ccw(c6520.86,3544.14) v1@6537.93,3527.07 ; 6520.86,3520 cw(c6520.86,3495.86) v1@6537.93,3512.93 ; 6520.86,3520 ccw(c6520.86,3544.14) v1@6537.93,3527.07 ; 6520.86,3520 cw(c6520.86,3495.86) v1@6537.93,3512.93 ; 6520.86,3520 ccw(c6520.86,3544.14) v1@6537.93,3527.07 ; 6520.86,3520 cw(c6520.86,3495.86) v1@6537.93,3512.93 ; 6520.86,4220 ccw(c6520.86,4244.14) v1@6537.93,4227.07 ; 6520.86,4220 cw(c6520.86,4195.86) v1@6537.93,4212.93 ; 6520.86,4220 ccw(c6520.86,4244.14) v1@6537.93,4227.07 ; 6520.86,4220 cw(c6520.86,4195.86) v1@6537.93,4212.93 ; 6520.86,4220 ccw(c6520.86,4244.14) v1@6537.93,4227.07 ; 6520.86,4220 cw(c6520.86,4195.86) v1@6537.93,4212.93 ; 6530.86,4915 ccw(c6530.86,4939.14) v1@6547.93,4922.07 ; 6530.86,4915 cw(c6530.86,4890.86) v1@6547.93,4907.93 ; 6530.86,4915 ccw(c6530.86,4939.14) v1@6547.93,4922.07 ; 6530.86,4915 cw(c6530.86,4890.86) v1@6547.93,4907.93 ; 6530.86,4915 ccw(c6530.86,4939.14) v1@6547.93,4922.07 ; 6530.86,4915 cw(c6530.86,4890.86) v1@6547.93,4907.93 ; 6540.86,5625 ccw(c6540.86,5649.14) v1@6557.93,5632.07 ; 6540.86,5625 cw(c6540.86,5600.86) v1@6557.93,5617.93 ; 6540.86,5625 ccw(c6540.86,5649.14) v1@6557.93,5632.07 ; 6540.86,5625 cw(c6540.86,5600.86) v1@6557.93,5617.93 ; 6540.86,5625 ccw(c6540.86,5649.14) v1@6557.93,5632.07 ; 6540.86,5625 cw(c6540.86,5600.86) v1@6557.93,5617.93 ; v3@1769.9,4205.1 cw(c1805.87,4169.13) 1805.87,4220 ccw(c1805.87,4169.13) v3@1769.9,4205.1 ; v3@1769.9,4224.9 ccw(c1781.73,4236.73) 1781.73,4220 cw(c1781.73,4236.73) v3@1769.9,4224.9
  Bottom Layer w20: JTAG.4@1300,4504.72 1234.72,4504.72 1185,4455 1185,4290 1260,4215 v3(1760,4215) ; 1245.72,4504.72 ccw(c1245.72,4553.01) 1279.86,4518.87 cw(c1245.72,4553.01) 1245.72,4504.72 ; 1245.72,4504.72 cw(c1245.72,4456.44) 1279.86,4490.58 ccw(c1245.72,4456.44) 1245.72,4504.72 ; 1735.86,4215 ccw(c1735.86,4239.14) v3@1752.93,4222.07 ; 1735.86,4215 cw(c1735.86,4190.86) v3@1752.93,4207.93 ; 1735.86,4215 ccw(c1735.86,4239.14) v3@1752.93,4222.07 ; 1735.86,4215 cw(c1735.86,4190.86) v3@1752.93,4207.93 ; 1735.86,4215 ccw(c1735.86,4239.14) v3@1752.93,4222.07 ; 1735.86,4215 cw(c1735.86,4190.86) v3@1752.93,4207.93
  other v1: 1965,3520 6545,3520 2845,4215 2883.36,4916.64